# Altium PCB SensorPCB.PcbDoc
Units mm, origin at the board's own origin, x right, y up, seen from the top; angles counter-clockwise.
Board outline 28.7 x 17.82 mm, 4 copper layers (Top Layer 1, Top Layer, Bottom Layer, Bottom Layer 1), stack 0.888 mm thick; 13 components, 16 nets, 65 pads, 12 vias.
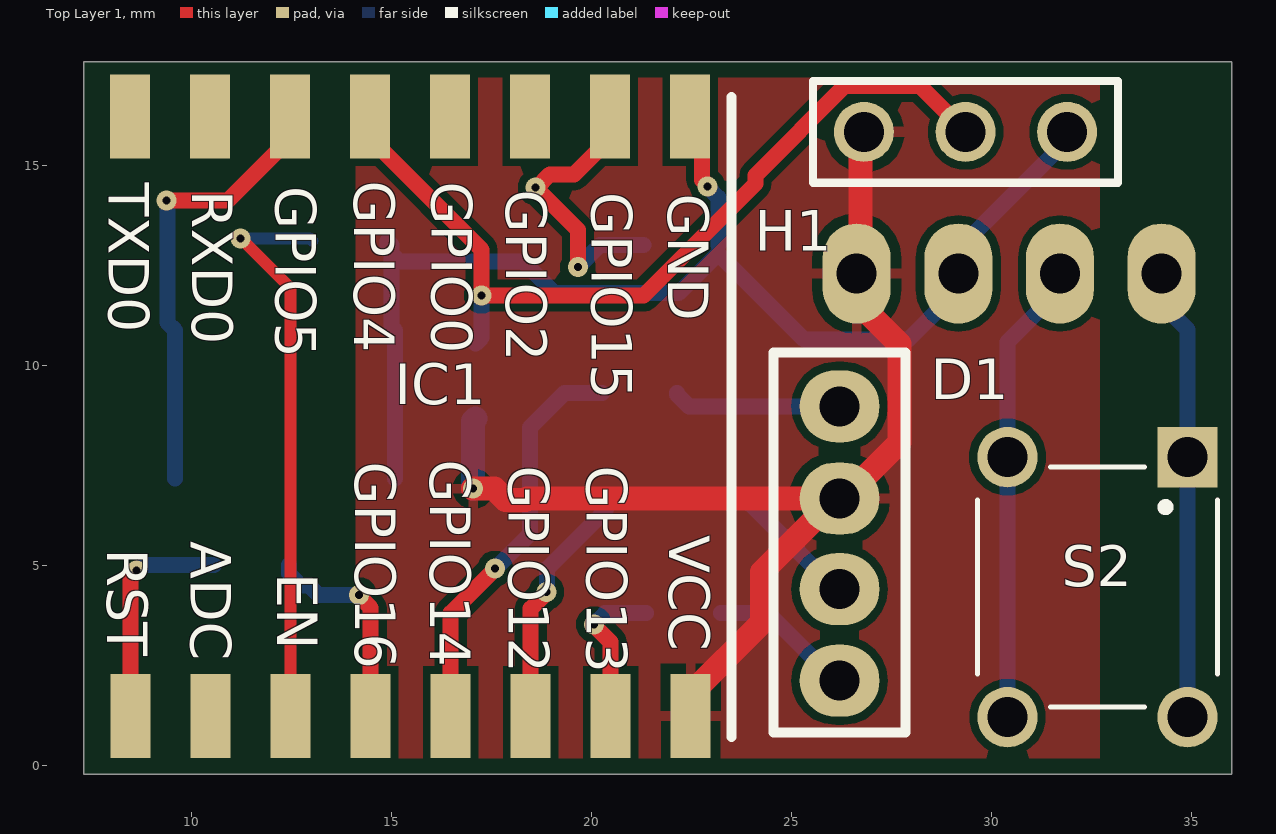
[diagram p0: Top Layer 1 view]
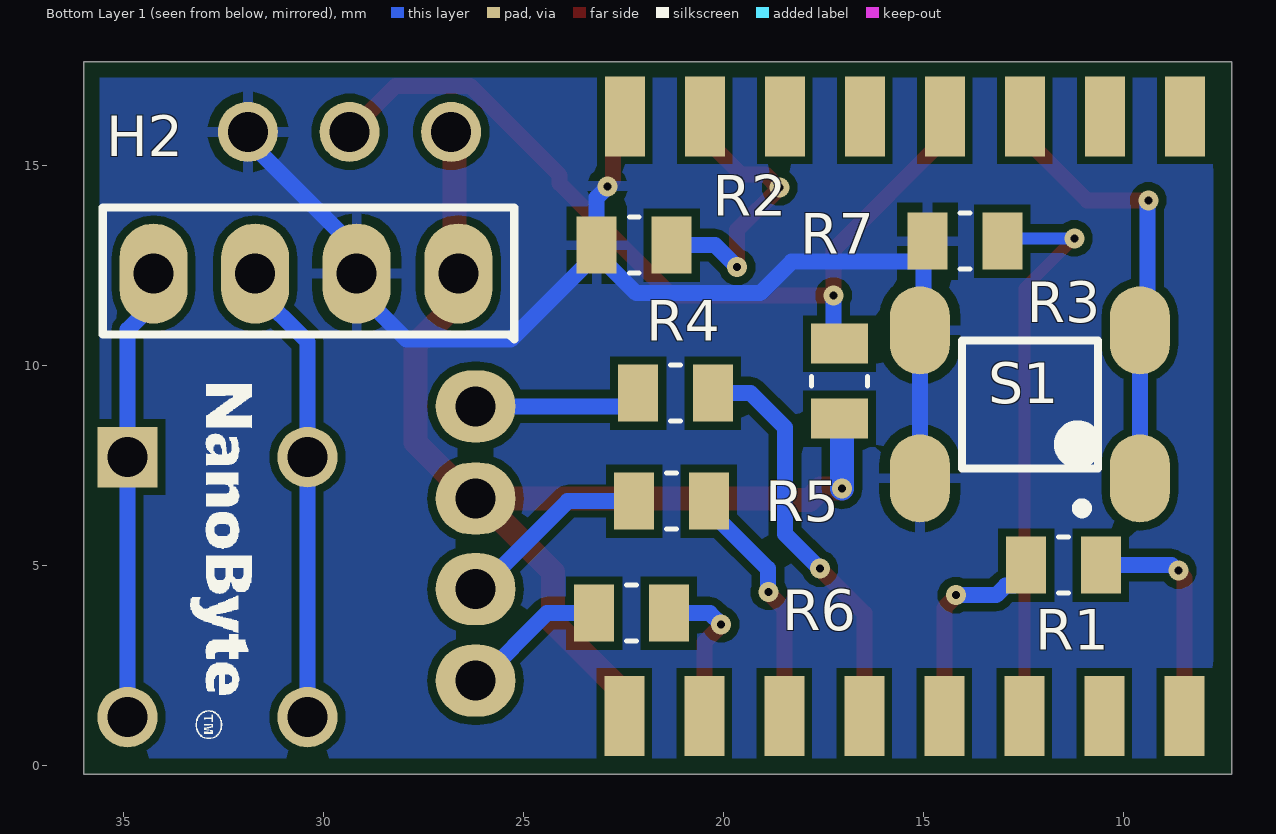
[diagram p1: Bottom Layer 1 view, seen from below]
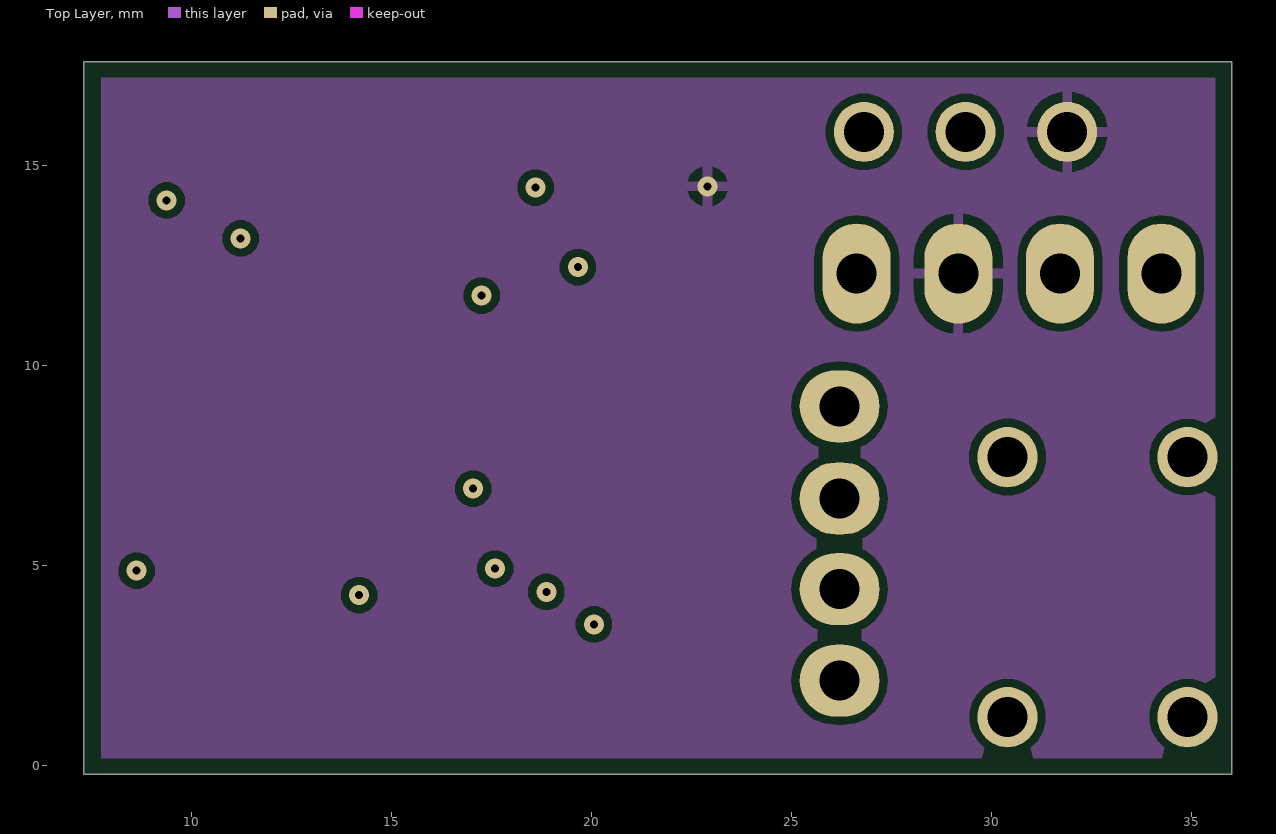
[diagram p2: Top Layer]
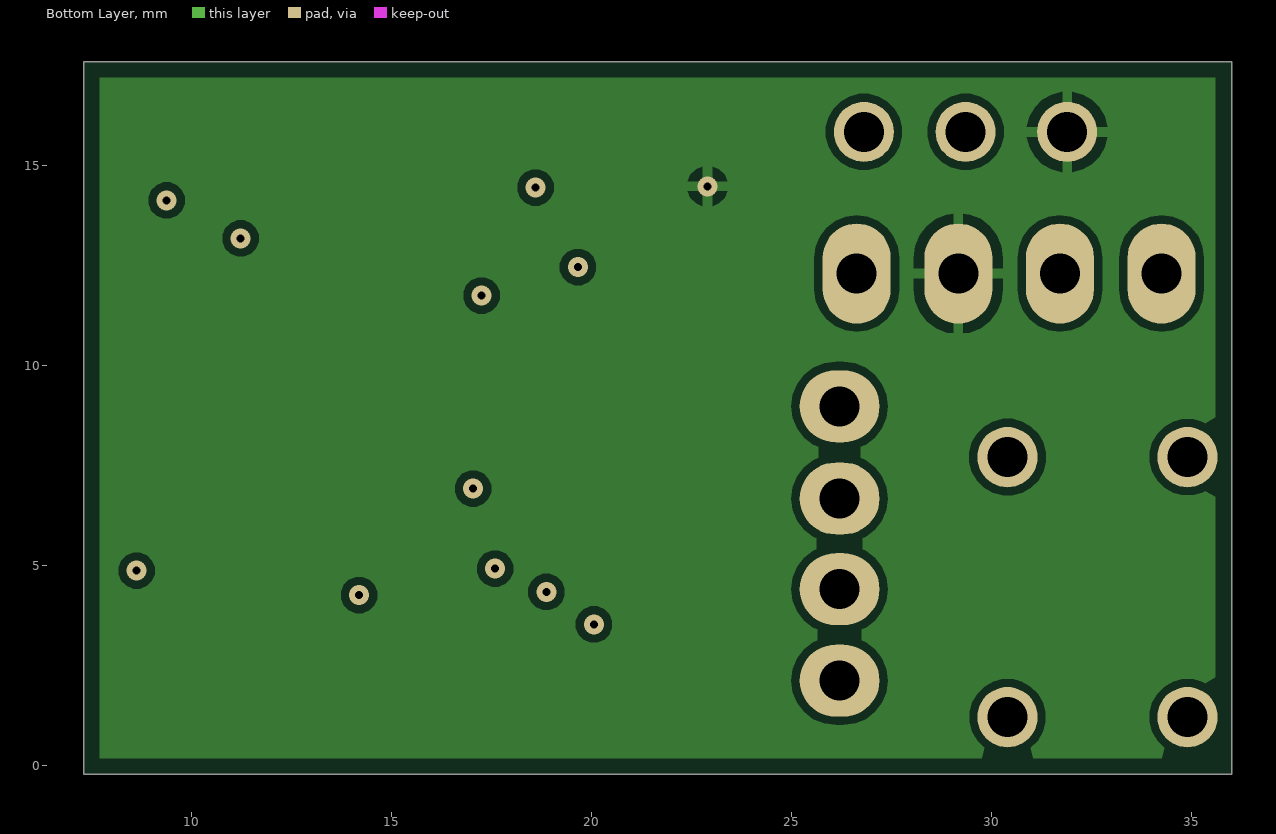
[diagram p3: Bottom Layer]
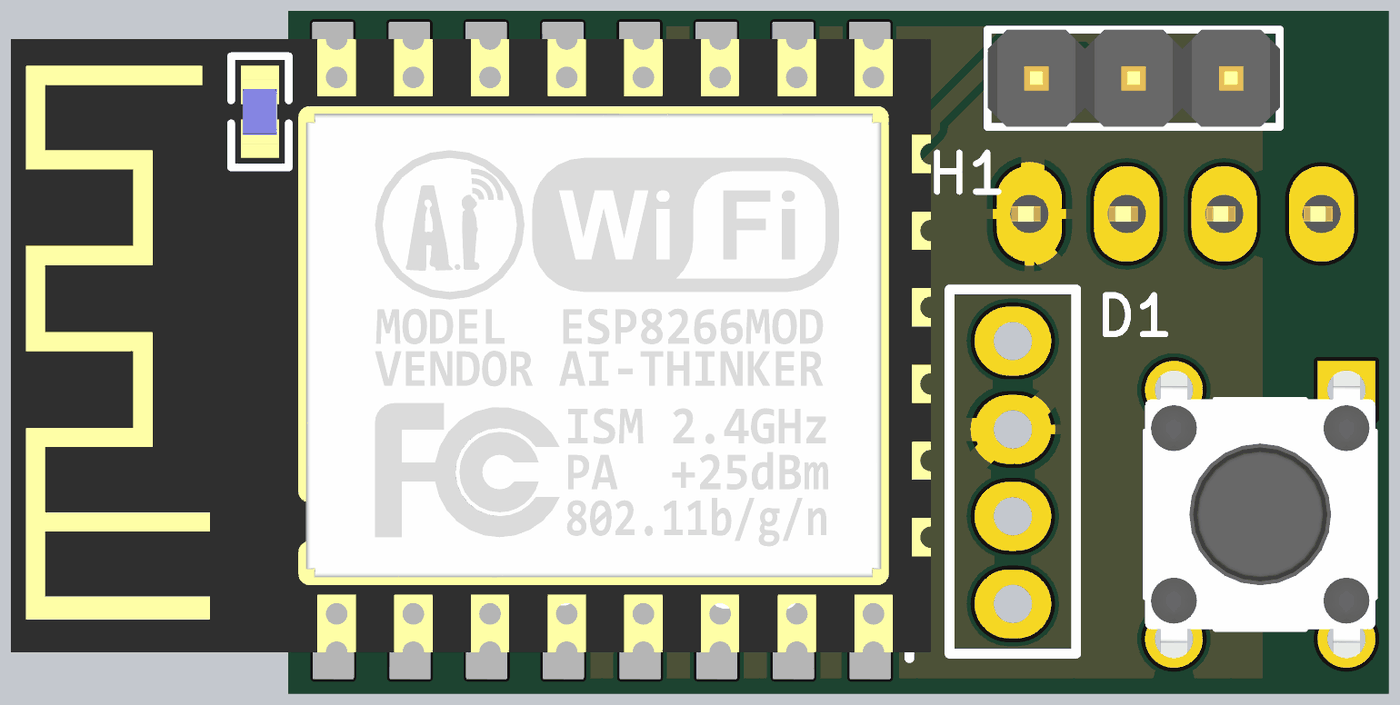
[diagram p4: 3D render of the assembled board from above, using the file's embedded part models]
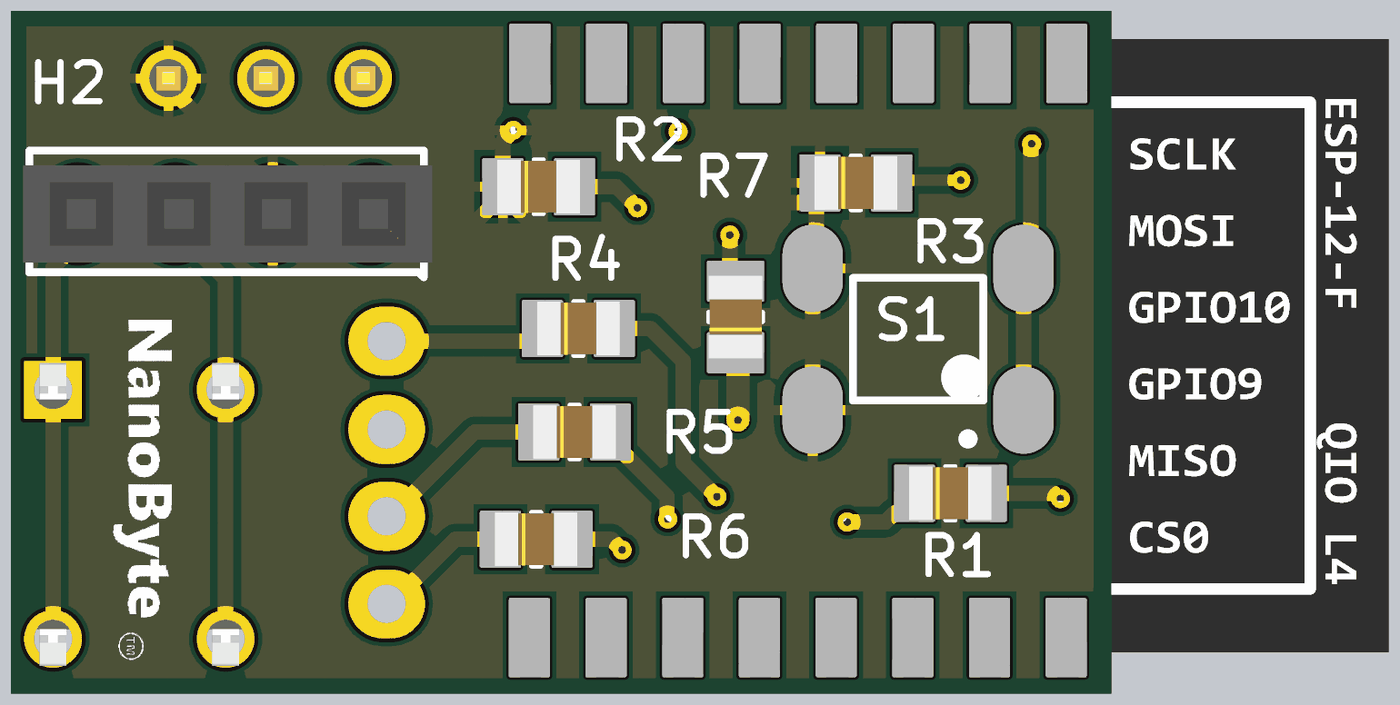
[diagram p5: 3D render of the assembled board from below, using the file's embedded part models]

## Layer stack, top to bottom
Top Solder: solder mask 0.0127, Solder Resist, Dk 3.8
Top Layer 1: signal copper 0.035
Dielectric 2: prepreg 0.0584, 2313, Dk 4.05
Top Layer: signal copper 0.018
Dielectric 1: dielectric 0.665, FR-4, Dk 4.5
Bottom Layer: signal copper 0.018
Dielectric 3: prepreg 0.0584, 2313, Dk 4.05
Bottom Layer 1: signal copper 0.035
Bottom Solder: solder mask 0.0127, Solder Resist, Dk 3.8

## Board outline
7.3,-0.23 36,-0.23 36,17.59 7.3,17.59

## Design rules (kind name [scope] priority, off if disabled: settings)
BoardOutlineClearance [All] p1: gap=0.2 ignorepadtopadclearanceinfootprint=FALSE
Clearance [All] p1: gap=0.2 ignorepadtopadclearanceinfootprint=FALSE
HoleToHoleClearance [All] p1: gap=0.2 allowstackedmicrovias=TRUE
MinimumSolderMaskSliver [All] p1: minsoldermaskwidth=0.2
PasteMaskExpansion [All] p1: expansion=0.038
PolygonConnect [All] p1: connectstyle=Relief reliefconductorwidth=0.254 reliefentries=4 polygonreliefangle="90 Angle" airgapwidth=0.254
RoutingVias [All] p1: holewidth=0.2 width=0.5 viastyle="Through Hole" minholewidth=0.15 minwidth=0.25 maxholewidth=0.3 maxwidth=0.6
SilkToSolderMaskClearance [IsPad] p1: minsilkscreentomaskgap=0.16 clearancetoexposedcopper=TRUE
SolderMaskExpansion [All] p1: expansion=0.102 istentingtop=FALSE
Width [All] p1: maxlimit=0.6 minlimit=0.2 preferedwidth=0.254 midlayer1_minwidth=0.254 midlayer1_maxwidth=0.254 midlayer2_minwidth=0.254 midlayer2_maxwidth=0.254 minimp=50.000000 maximp=50.000000 favimp=50.000000
26 further rules are at their usual default settings.

## Components (designator, comment, footprint, x,y, rotation, side; value= is the part's Value field where it differs from the comment)
D1 "RGB LED CA" "RGB LED" 26.2,5.416 r0 top
H1 "3pin male" "3 PIN MALE HEADER" 26.81,15.83 r90 top
H2 "4pin female" "4PIN FEMALE" 34.25,12.29 r90 bottom locked
IC1 "ESP32" "ESP 32 12F" 12.7,8.6 r90 top locked
R1 "10k ohm" "0805 SMD" 11.5,5 r180 bottom value=10kR
R2 "10k ohm" "0805 SMD" 22.235,13 r180 bottom value=10kR
R3 "10k ohm" "0805 SMD" 13.965,13.1 r180 bottom value=10kR
R4 "220 ohm smd 0805" "0805 SMD" 21.2,9.3 r180 bottom
R5 "220 ohm smd 0805" "0805 SMD" 21.3,6.6 r180 bottom
R6 "220 ohm smd 0805" "0805 SMD" 22.3,3.8 r180 bottom
R7 "3.7kohm smd 0805" "0805 SMD" 17.1,9.6 r90 bottom
S1 "SMD switch" SOP127P600-8N 12.34,9.02 r0 bottom
S2 "switch" SW_TS02-66-60-BK-260-LCR-D 32.65,4.45 r270 top

## Footprints (in the part's own frame and the unit in brackets; to place one, negate y for a bottom-side part, rotate by r counter-clockwise, add the part's x,y. Pads: shape width x height; smd on the part's side, far side on the other; paste and mask are expansions set on the pad)
"3 PIN MALE HEADER" [mm]
  round 1.5 hole 1: 1(0,0) 2(0,-2.54) 3(0,-5.08)
  silkscreen extent -1.27,-6.35 1.27,1.27, body extent -1.27,-6.35 1.27,1.27, height 8.65
"4PIN FEMALE" [mm]
  oval 2.5x1.7 hole 1: 1(0,0) 2(0,-2.54) 3(0,-5.08) 4(0,-7.62)
  silkscreen extent -1.65,-9.02 1.65,1.27, body extent -1.27,-9.23 1.27,1.43, height 8.52
"0805 SMD" [mm]
  rect 1x1.42 smd: 1(-0.935,0) 2(0.935,0)
  silkscreen extent -0.12,-0.7 0.12,0.7, body extent -1.07,-0.7 1.07,0.7, height 0.66
"ESP 32 12F" [mm]
  rect 2.1x1 smd: A1(-7.366,4.221) A2(-7.366,2.221) A3(-7.366,0.221) A4(-7.366,-1.779) A5(-7.366,-3.779) A6(-7.366,-5.779) A7(-7.366,-7.779) A8(-7.366,-9.779) A15(7.62,-9.764) A16(7.62,-7.764) A17(7.62,-5.764) A18(7.62,-3.764) A19(7.62,-1.764) A20(7.62,0.236) A21(7.62,2.236) A22(7.62,4.236)
  rect 2x1 smd far side: B1(-7.366,4.221) B2(-7.366,2.221) B3(-7.366,0.221) B4(-7.366,-1.779) B5(-7.366,-3.779) B6(-7.366,-5.779) B7(-7.366,-7.779) B8(-7.366,-9.779) B15(7.62,-9.764) B16(7.62,-7.764) B17(7.62,-5.764) B18(7.62,-3.764) B19(7.62,-1.764) B20(7.62,0.236) B21(7.62,2.236) B22(7.62,4.236)
  silkscreen extent -7.9,-10.8 8.1,-10.8, body extent -7.75,-11.36 8.25,12.63, height 3.15
"RGB LED" [mm]
  oval 2x1.8 hole 1: 1(0,3.556) 2(0,1.25) 3(0,-1.016) 4(0,-3.302)
  silkscreen extent -1.65,-4.6 1.65,4.9
SOP127P600-8N [mm]
  oval 1.5x2.2 smd: 1(-2.75,1.85) 2(-2.75,-1.85) 3(2.75,-1.85) 4(2.75,1.85)
  silkscreen extent -1.7,-1.6 1.7,2.72, body extent -2.6,-2 2.6,2, height 1.1
SW_TS02-66-60-BK-260-LCR-D [mm]
  rect 1.508x1.508 / inner round 1.508 / far side rect 1.508x1.508 hole 1: 1(-3.25,2.25)
  round 1.508 hole 1: 2(3.25,2.25) 3(-3.25,-2.25) 4(3.25,-2.25)
  silkscreen extent -3,-3 3,3, body extent -3.95,-3 3.95,3, height 6

## Part data
D1: library part QBL8RGB60D0-2897, "Led Rgb, T-1 3/4, 5MM Round T/h,", Manufacturer=QT-Brightek, Supplier Part Number=1516-QBL8RGB60D0-2897-ND, Category=LEDs, Manufacturer Part Number=QBL8RGB60D0-2897, Pricing="1=1.06, 10=0.743, 100=0.5504, 500=0.4646, 1000=0.43654, 2000=0.41271, 5000=0.3867, 10000=0.37049, 25000=0.35284 (USD)", RoHS=No, Stock=24575, Supplier=Digikey
H1: library part M20-9990345, "Board Connector, 3 Contact(s), 1 Row(s), Male, Straight, 0.1 inch Pitch, Solder Terminal, Locking, Black Insulator", Contact Resistance=25mR, Dielectric Withstanding Voltage (AC)=750V, Flammability Rating="UL94 V-0", Insulation Color=Black, Insulation Resistance=1GR, Manufacturer=Harwin, Max Operating Temperature=105°C, Min Operating Temperature=-40°C, Rated Current (Signal)=3A, Supplier Part Number=952-2263-ND, Additional Feature="ROHS COMPLIANT", Body Breadth=0.1inch, Body Depth=0.1inch, Body Length=0.3inch, Body/Shell Style=RECEPTACLE, Category="Headers and Wire Housings", ComponentLink1Description=https://datasheet.ciiva.com:443/pdfs/VipMasterIC/IC/HRWN/HRWN-S-A0003033920/HRWN-S-A0003397280-1.pdf?src-supplier=IHS+Markit, ComponentLink1URL=https://datasheet.ciiva.com:443/pdfs/VipMasterIC/IC/HRWN/HRWN-S-A0003033920/HRWN-S-A0003397280-1.pdf?src-supplier=IHS+Markit, ComponentLink2Description=https://datasheet.ciiva.com/11747/0900766b80da602d-11747505.pdf?src-supplier=Rs, ComponentLink2URL=https://datasheet.ciiva.com/11747/0900766b80da602d-11747505.pdf?src-supplier=Rs, ComponentLink3Description=https://datasheet.ciiva.com/5160/m20-999-351179-5160492.pdf?src-supplier=Mouser, ComponentLink3URL=https://datasheet.ciiva.com/5160/m20-999-351179-5160492.pdf?src-supplier=Mouser, ComponentLink4Description=https://datasheet.ciiva.com/10151/m20-999-10151334.pdf?src-supplier=Avnet, ComponentLink4URL=https://datasheet.ciiva.com/10151/m20-999-10151334.pdf?src-supplier=Avnet, Connector Type="BOARD CONNECTOR", Contact Finish - Mating=GOLD, Contact Finish - Termination="Gold (Au) - with Nickel (Ni) barrier", Contact Gender=Male, Contact Material=Brass, Contact Pattern=RECTANGULAR, DIN Conformance=No, Durability=300Cycles, Filter Feature=No, IEC Conformance=No, Insulation Material=Nylon, JESD-609 Code=e4, Manufacturer Part Number=M20-9990345, Mating Contact Pitch=0.1inch, MIL Conformance=No, Mixed Contacts=No, Mounting Option 1=LOCKING, Mounting Style=STRAIGHT, Mounting Technology=Board, Number Of Connectors=1, Number of Contacts=3, Number Of PCB Rows=1, Number of Rows Loaded=1, Option="General Purpose", Pricing="1=0.15, 10=0.124, 100=0.1053, 500=0.09398, 1000=0.08949, 5000=0.07987, 10000=0.07606 (USD)", Reach SVHC Compliant=Yes, Reference Standard=UL, Reliability=COMMERCIAL, RoHS=Yes, RoHS Compliant=Yes, Stock=54918, Supplier=Digikey, Terminal Length=0.118inch, Terminal Pitch=2.54mm, Termination=Solder
H2: library part PPPC041LFBN-RC, "Board Connector, 4 Contact(s), 1 Row(s), Female, Straight, 0.1 inch Pitch, Solder Terminal, Locking", Manufacturer=Sullins, Manufacturer Series=PP, Rated Current (Signal)=3A, Supplier Part Number=S7037-ND, Body Breadth=0.094inch, Body Depth=0.334inch, Body Length=0.42inch, Category=Connectors, ComponentLink1Description=https://datasheet.ciiva.com:443/pdfs/VipMasterIC/IC/SUCS/SUCSS00270/SUCSS00270-1.pdf?src-supplier=IHS+Markit, ComponentLink1URL=https://datasheet.ciiva.com:443/pdfs/VipMasterIC/IC/SUCS/SUCSS00270/SUCSS00270-1.pdf?src-supplier=IHS+Markit, ComponentLink2Description=https://media.digikey.com/pdf/Data%20Sheets/Sullins%20PDFs/Female_Headers.100_DS.pdf?src-supplier=Digikey, ComponentLink2URL=https://media.digikey.com/pdf/Data%20Sheets/Sullins%20PDFs/Female_Headers.100_DS.pdf?src-supplier=Digikey, ComponentLink3Description=http://www.sullinscorp.com/catalogs/78_Page80-81_HEADER_.100_2.54mm_FEMALE.pdf?src-supplier=Future+Electronics, ComponentLink3URL=http://www.sullinscorp.com/catalogs/78_Page80-81_HEADER_.100_2.54mm_FEMALE.pdf?src-supplier=Future+Electronics, ComponentLink4Description=https://datasheet.octopart.com/PPPC041LFBN-RC-Sullins-datasheet-41308905.pdf?src-supplier=Future+Electronics, ComponentLink4URL=https://datasheet.octopart.com/PPPC041LFBN-RC-Sullins-datasheet-41308905.pdf?src-supplier=Future+Electronics, Connector Type="BOARD CONNECTOR", Contact Finish - Mating=AU, Contact Gender=Female, Contact Material=Bronze, Contact Pattern=RECTANGULAR, Contact Style="SQ PIN-SKT", Insulation Material=Polyester, Manufacturer Part Number=PPPC041LFBN-RC, Mating Contact Pitch=0.1inch, Mounting Option 1=LOCKING, Mounting Style=STRAIGHT, Mounting Technology=Board, Number Of Connectors=1, Number of Contacts=4, Number Of PCB Rows=1, Number of Rows Loaded=1, PCB Contact Pattern=RECTANGULAR, Polarization Key="POLARIZED HOUSING", Pricing="1=0.42, 10=0.353, 100=0.2996, 500=0.26738, 1000=0.2546, 5000=0.22726, 10000=0.21641 (USD)", Reach SVHC Compliant=Yes, Reference Standard=UL, Reliability=COMMERCIAL, RoHS=Yes, RoHS Compliant=Yes, Stock=12576, Supplier=Digikey, Terminal Length=0.125inch, Terminal Pitch=2.54mm, Termination=Solder
IC1: library part ESP32-C3-12F, "Wi-fi, BLE5.0, 32 Bit Mcu Int Ant", Manufacturer="RF Solutions", Supplier Part Number=357-ESP32-C3-12F-ND, Category=LDO, Manufacturer Part Number=ESP32-C3-12F, Pricing="1=7.67, 10=6.651 (USD)", RoHS=No, Stock=13, Supplier=Digikey
R1 R2 R3: library part RMCF0805FT10K0, "Fixed Resistor, Metal Glaze/thick Film, 0.125W, 10000ohm, 150V, 1% +/-Tol, 100ppm/Cel, Surface Mount, 0805", Case/Package=0805, Manufacturer="Stackpole Electronics", Max Operating Temperature=155°C, Min Operating Temperature=-55°C, Package Height=0.5mm, Package Length=2mm, Package Shape=Rectangular, Package Width=1.25mm, Power=125mW, Rated Temperature=70°C, Resistor Type="FIXED RESISTOR", Supplier Part Number=RMCF0805FT10K0CT-ND, Temperature Coefficient (ppm/Cel)=100, Tolerance=1%, Working Voltage=150V, Category="Chip SMD Resistors", ComponentLink1Description=https://datasheet.ciiva.com:443/pdfs/VipMasterIC/IC/SEIE/SEIE-S-A0009541969/SEIE-S-A0009541969-1.pdf?src-supplier=IHS+Markit, ComponentLink1URL=https://datasheet.ciiva.com:443/pdfs/VipMasterIC/IC/SEIE/SEIE-S-A0009541969/SEIE-S-A0009541969-1.pdf?src-supplier=IHS+Markit, ComponentLink2Description=https://datasheet.ciiva.com/15193/getdatasheetpartid-362046-15193525.pdf?src-supplier=Verical, ComponentLink2URL=https://datasheet.ciiva.com/15193/getdatasheetpartid-362046-15193525.pdf?src-supplier=Verical, Construction=Rectangular, JESD-609 Code=e3, Manufacturer Part Number=RMCF0805FT10K0, Mounting Technology="Surface Mount", Packaging="Tape and Reel", Pins=2, Pricing="1=0.1, 10=0.025, 100=0.012, 1000=0.00658, 2500=0.00538 (USD)", Reach SVHC Compliant=Yes, Reference Standard=AEC-Q200, RoHS=Yes, RoHS Compliant=Yes, Stock=1368386, Supplier=Digikey, Technology="METAL GLAZE/THICK FILM", Terminal Finish=Nickel, Termination=Wraparound
R4 R5 R6: library part CRGCQ0805F220R, "Fixed Resistor, Metal Glaze/thick Film, 0.125W, 220ohm, 150V, 1% +/-Tol, 100ppm/Cel, Surface Mount, 0805", Manufacturer="TE Connectivity", Resistor Type="FIXED RESISTOR", Supplier Part Number=A129741CT-ND, Category="Chip SMD Resistors", ComponentLink1Description=https://datasheet.ciiva.com:443/pdfs/VipMasterIC/IC/TYEL/TYEL-S-A0004929575/TYEL-S-A0004929575-1.pdf?src-supplier=IHS+Markit, ComponentLink1URL=https://datasheet.ciiva.com:443/pdfs/VipMasterIC/IC/TYEL/TYEL-S-A0004929575/TYEL-S-A0004929575-1.pdf?src-supplier=IHS+Markit, ComponentLink2Description=https://www.te.com/commerce/DocumentDelivery/DDEController?Action=srchrtrv&amp;DocNm=1773204-3&amp;DocType=DS&amp;DocLang=English&src-supplier=Digikey, ComponentLink2URL=https://www.te.com/commerce/DocumentDelivery/DDEController?Action=srchrtrv&amp;DocNm=1773204-3&amp;DocType=DS&amp;DocLang=English&src-supplier=Digikey, ComponentLink3Description=https://4donline.ihs.com/images/VipMasterIC/IC/TYEL/TYEL-S-A0004929575/TYEL-S-A0004929575-1.pdf?hkey=52A5661711E402568146F3353EA87419&src-supplier=Farnell, ComponentLink3URL=https://4donline.ihs.com/images/VipMasterIC/IC/TYEL/TYEL-S-A0004929575/TYEL-S-A0004929575-1.pdf?hkey=52A5661711E402568146F3353EA87419&src-supplier=Farnell, ComponentLink4Description=https://4donline.ihs.com/images/VipMasterIC/IC/TYEL/TYEL-S-A0004929575/TYEL-S-A0004929575-1.pdf?hkey=52A5661711E402568146F3353EA87419&src-supplier=Newark, ComponentLink4URL=https://4donline.ihs.com/images/VipMasterIC/IC/TYEL/TYEL-S-A0004929575/TYEL-S-A0004929575-1.pdf?hkey=52A5661711E402568146F3353EA87419&src-supplier=Newark, ComponentLink5Description=https://datasheet.octopart.com/CRGCQ0805F220R-TE-Connectivity-datasheet-114679081.pdf?src-supplier=Master+Electronics, ComponentLink5URL=https://datasheet.octopart.com/CRGCQ0805F220R-TE-Connectivity-datasheet-114679081.pdf?src-supplier=Master+Electronics, Manufacturer Part Number=CRGCQ0805F220R, Pins=2, Pricing="1=0.1, 10=0.036, 100=0.0183, 1000=0.00952, 2500=0.00885 (USD)", Reach SVHC Compliant=Yes, RoHS=Yes, RoHS Compliant=Yes, Stock=1119462, Supplier=Digikey
R7: library part RN73R2ATTD3701D25, "Fixed Resistor, Thin Film, 0.125W, 3700ohm, 150V, 0.5% +/-Tol, 25ppm/Cel, Surface Mount, 0805", Manufacturer="KOA Speer", Supplier Part Number=2019-RN73R2ATTD3701D25CT-ND, Category="Chip SMD Resistors", Manufacturer Part Number=RN73R2ATTD3701D25, Pricing="1=0.1, 10=0.078, 50=0.0688, 100=0.065, 500=0.0571 (USD)", RoHS=Yes, Stock=862, Supplier=Digikey
S1: library part PTS526SK15SMTR2LFS, "Switch Tactile N.O. SPST Round Button Gull Wing 0.05A 12VDC 200000Cycles 2.45N SMD T/R", Manufacturer="ITT C&K", Supplier Part Number=CKN12221-1-ND, ComponentLink1Description=https://dznh3ojzb2azq.cloudfront.net/products/Tactile/PTS526/documents/datasheet.pdf?src-supplier=Digikey, ComponentLink1URL=https://dznh3ojzb2azq.cloudfront.net/products/Tactile/PTS526/documents/datasheet.pdf?src-supplier=Digikey, ComponentLink2Description=https://datasheet.octopart.com/PTS526SK15SMTR2LFS-C%26K-Components-datasheet-138817219.pdf?src-supplier=Future+Electronics, ComponentLink2URL=https://datasheet.octopart.com/PTS526SK15SMTR2LFS-C%26K-Components-datasheet-138817219.pdf?src-supplier=Future+Electronics, ComponentLink3Description=https://datasheet.octopart.com/PTS526SK15SMTR2LFS-C%26K-Components-datasheet-166147767.pdf?src-supplier=TME, ComponentLink3URL=https://datasheet.octopart.com/PTS526SK15SMTR2LFS-C%26K-Components-datasheet-166147767.pdf?src-supplier=TME, Manufacturer Part Number=PTS526SK15SMTR2LFS, Pricing="1=0.14, 10=0.127, 25=0.1192, 100=0.1073, 250=0.09968, 500=0.09408, 1000=0.08878 (USD)", RoHS=No, Stock=96228, Supplier=Digikey
S2: library part 1825910-6, "Keypad Switch, 1 Switches, SPST, Momentary-tactile, 0.05A, 24VDC, 2.06N, 4 PCB Hole Cnt, Solder Terminal, Through Hole-straight", Contact Current(DC)-Max=50mA, Contact DC Max Rating R Load=.05A@24VDC, Contact Voltage(DC)-Max=24V, Manufacturer="TE Connectivity Alcoswitch", Max Operating Temperature=85°C, Min Operating Temperature=-35°C, Operating Force-Max=2.06N, Supplier Part Number=450-1650-ND, Body Breadth=5.99mm, Body Height=3.61mm, Body Length or Diameter=5.99mm, Category="Pushbutton Switches", Circuit Configuration=1X1, ComponentLink1Description=https://datasheet.ciiva.com:443/pdfs/VipMasterIC/IC/TYEL/TYEL-S-A0008869674/TYEL-S-A0008850909-1.pdf?src-supplier=IHS+Markit, ComponentLink1URL=https://datasheet.ciiva.com:443/pdfs/VipMasterIC/IC/TYEL/TYEL-S-A0008869674/TYEL-S-A0008850909-1.pdf?src-supplier=IHS+Markit, ComponentLink2Description=https://datasheet.ciiva.com/30199/1825910-6rqpn1825910-6-30199520.pdf?src-supplier=Onlinecomponents.com, ComponentLink2URL=https://datasheet.ciiva.com/30199/1825910-6rqpn1825910-6-30199520.pdf?src-supplier=Onlinecomponents.com, ComponentLink3Description=https://datasheet.ciiva.com/15184/getdatasheetpartid-395915-15184509.pdf?src-supplier=Verical, ComponentLink3URL=https://datasheet.ciiva.com/15184/getdatasheetpartid-395915-15184509.pdf?src-supplier=Verical, Manufacturer Part Number=1825910-6, Mounting Technology="Through Hole", Number of Switches=1, Pricing="1=0.13, 10=0.118, 25=0.1112, 100=0.1001, 250=0.093, 750=0.08485, 1500=0.08009, 3000=0.07565, 5250=0.07234 (USD)", Reach SVHC Compliant=Yes, RoHS=Yes, RoHS Compliant=Yes, Stock=41424, Supplier=Digikey, Switch Action=MOMENTARY, Switch Function=SPST, Switch Type=Keypad, Termination=Solder

## Via types
v1: diameter 0.5, hole 0.2, Top Layer 1 to Bottom Layer 1, 12 vias

## Nets (pads, with @x,y where several pads share a name; then routed paths per layer and width w, separated by ;. In a path a pad name is that pad's centre, name@x,y a point inside that pad or via, vN(x,y) a via of type N, cw(c..) or ccw(c..) an arc to the next point about the centre after c; other vN are vias at no path point)
MainGND: H1.3 H2.3 IC1.A15 R2.1 R3.1 S1.3 S1.4 | length 31.3
  Top Layer 1 w0.4: IC1.A15 22.764,15.92 22.764,14.633 22.9,14.497 v1(22.9,14.47)
  Bottom Layer 1 w0.4: S1.4 S1.3 14.995,10.965 14.995,13.005 R3.1 14.9,12.89 15.2,12.59 18.295,12.59 19.085,11.8 22.18,11.8 23.17,12.79 25.32,10.64 27.92,10.64 29.17,11.89 H2.3 29.17,12.9 31.89,15.62 H1.3 ; v1(22.9,14.47) 22.9,14.459 23.17,14.189 R2.1
NetD1_1: D1.1 R4.1 | length 4.2
  Bottom Layer 1 w0.4: R4.1 22.135,9.272 22.435,8.972 D1.1
NetD1_3: D1.3 R5.1 | length 4.9
  Bottom Layer 1 w0.4: R5.1 23.9,6.6 26.1,4.4 D1.3
NetD1_4: D1.4 R6.1 | length 3.7
  Bottom Layer 1 w0.4: R6.1 24.414,3.8 26.1,2.114 D1.4
NetH1_2: H1.2 IC1.A19 R7.2 | length 21.8
  Top Layer 1 w0.4: IC1.A19 14.464,15.67 17.25,12.884 v1(17.25,11.74) 21.299,11.74 24.1,14.541 24.1,14.746 26.334,16.98 28.2,16.98 H1.2
  Bottom Layer 1 w0.4: R7.2 17.25,10.685 v1(17.25,11.74)
NetIC1_A1: IC1.A1 R1.2 | length 5.7
  Top Layer 1 w0.4: IC1.A1 8.479,4.682 8.63,4.833 v1(8.63,4.86)
  Bottom Layer 1 w0.4: v1(8.63,4.86) 8.657,4.86 8.797,5 R1.2
NetIC1_A3: IC1.A3 R3.2 | length 14.3
  Top Layer 1 w0.3: v1(11.23,13.17) 12.479,11.921 IC1.A3
  Bottom Layer 1 w0.3: v1(11.23,13.17) 12.96,13.17 R3.2
NetIC1_A4: IC1.A4 R1.1 | length 5.3
  Top Layer 1 w0.4: v1(14.19,4.25) 14.19,4.223 14.479,3.934 IC1.A4
  Bottom Layer 1 w0.4: R1.1 12.435,4.79 12.735,4.49 12.945,4.49 13.185,4.25 v1(14.19,4.25)
NetIC1_A5: IC1.A5 R4.2 | length 10.2
  Top Layer 1 w0.4: IC1.A5 16.479,3.799 v1(17.59,4.91)
  Bottom Layer 1 w0.4: v1(17.59,4.91) 18.465,5.785 18.465,8.445 19.32,9.3 R4.2
NetIC1_A6: IC1.A6 R5.2 | length 6.1
  Top Layer 1 w0.4: IC1.A6 18.479,3.912 18.87,4.303 v1(18.87,4.33)
  Bottom Layer 1 w0.4: v1(18.87,4.33) 18.889,4.349 18.889,4.914 20.365,6.39 R5.2
NetIC1_A7: IC1.A7 R6.2 | length 3.9
  Top Layer 1 w0.4: v1(20.06,3.52) 20.06,3.493 20.479,3.074 IC1.A7
  Bottom Layer 1 w0.4: v1(20.06,3.52) 20.341,3.8 R6.2
NetIC1_A16: IC1.A16 R2.2 | length 7.2
  Top Layer 1 w0.4: v1(19.66,12.45) 19.66,13.38 v1(18.6,14.44) 18.627,14.44 18.957,14.77 19.564,14.77 20.464,15.67 IC1.A16
  Bottom Layer 1 w0.4: v1(19.66,12.45) 20.21,13 R2.2
NetIC1_A20: IC1.A20 S1.1 S1.2 | length 11.3
  Top Layer 1 w0.4: v1(9.38,14.12) 10.914,14.12 12.464,15.67 IC1.A20
  Bottom Layer 1 w0.4: v1(9.38,14.12) 9.399,14.101 9.399,11.061 S1.2 S1.1
SIN1: H2.1 S2.1 S2.2 | length 11.4
  Bottom Layer 1 w0.4: H2.1 34.25,11.538 34.9,10.888 S2.1 S2.2
SIN2: H2.2 S2.3 S2.4 | length 11.6
  Bottom Layer 1 w0.4: S2.4 S2.3 30.4,10.58 31.71,11.89 H2.2
VIN: D1.2 H1.1 H2.4 IC1.A8 R7.1 | length 28.5
  Top Layer 1 w0.6: v1(17.04,6.91) 17.57,6.91 17.851,6.629 18.349,6.629 18.386,6.666 D1.2 ; IC1.A8 22.479,1.784 24.265,3.57 24.265,4.831 26.1,6.666 D1.2 ; H1.1 26.72,15.74 26.72,12.38 H2.4 26.63,11.592 27.7,10.522 27.7,8.066 26.3,6.666 D1.2
  Bottom Layer 1 w0.6: v1(17.04,6.91) 17.04,8.605 R7.1
pads on no net: IC1.A2 IC1.A17 IC1.A18 IC1.A21 IC1.A22 IC1.B1 IC1.B2 IC1.B3 IC1.B4 IC1.B5 IC1.B6 IC1.B7 IC1.B8 IC1.B15 IC1.B16 IC1.B17 IC1.B18 IC1.B19 IC1.B20 IC1.B21 IC1.B22

## Polygon pours and split planes (outlines as drawn)
VIN on Top Layer 1 "VIN_L01_P001" (solid, pour order 1): 14.1,17.38 14.1,-0.06 14.17,-0.13 32.71,-0.13 32.71,17.13 32.46,17.38 29.38,17.38
MainGND on Bottom Layer 1 "MAINGND_L04_P002" (solid, pour order 2): 35.79,17.42 35.67,17.54 7.76,17.54 7.76,-0.13 7.8,-0.17 7.86,-0.11 35.86,-0.11 35.86,17.41 35.83,17.44
MainGND on Top Layer "MAINGND_L02_P003" (solid, pour order 3): 7.6,17.51 7.63,17.48 35.79,17.48 35.79,-0.04 35.61,0.14 7.74,0.14 7.74,17.22 7.62,17.34
MainGND on Bottom Layer "MAINGND_L03_P004" (solid, pour order 4): 7.51,17.37 35.9,17.37 35.9,-0.03 35.85,0.02 7.6,0.02 7.6,17.18 7.46,17.32

## Silkscreen, mask and mechanical layers (free items; w line width, h text height)
Top Overlay:
  text "GPIO4" at 14.07,14.61 h1.02 r270
  text "GPIO0" at 16,14.58 h1.02 r270
  text "TXD0" at 7.93,14.56 h1.02 r270
  text "GPIO5" at 12.11,14.47 h1.02 r270
  text "GPIO2" at 17.87,14.39 h1.02 r270
  text "RXD0" at 10.02,14.37 h1.02 r270
  text "GPIO15" at 20.01,14.32 h1.02 r270
  text "GND" at 21.92,14.28 h1.02 r270
  text "GPIO14" at 15.97,7.63 h1.02 r270
  text "GPIO16" at 14.09,7.58 h1.02 r270
  text "GPIO12" at 17.93,7.49 h1.02 r270
  text "GPIO13" at 19.88,7.49 h1.02 r270
  text "VCC" at 21.94,5.75 h1.02 r270
  text "ADC" at 9.98,5.6 h1.02 r270
  text "RST" at 7.89,5.41 h1.02 r270
  text "EN" at 12.14,4.8 h1.02 r270
Bottom Overlay:
  drawing of 13 lines, arcs and shapes, not listed
Mechanical 1:
  lines w0.254: 7.303,-0.233 36.095,-0.233 36.095,17.735 7.303,17.735 7.303,-0.233